# Altium PCB PCB5.PcbDoc (part 7 of 16) (continued)
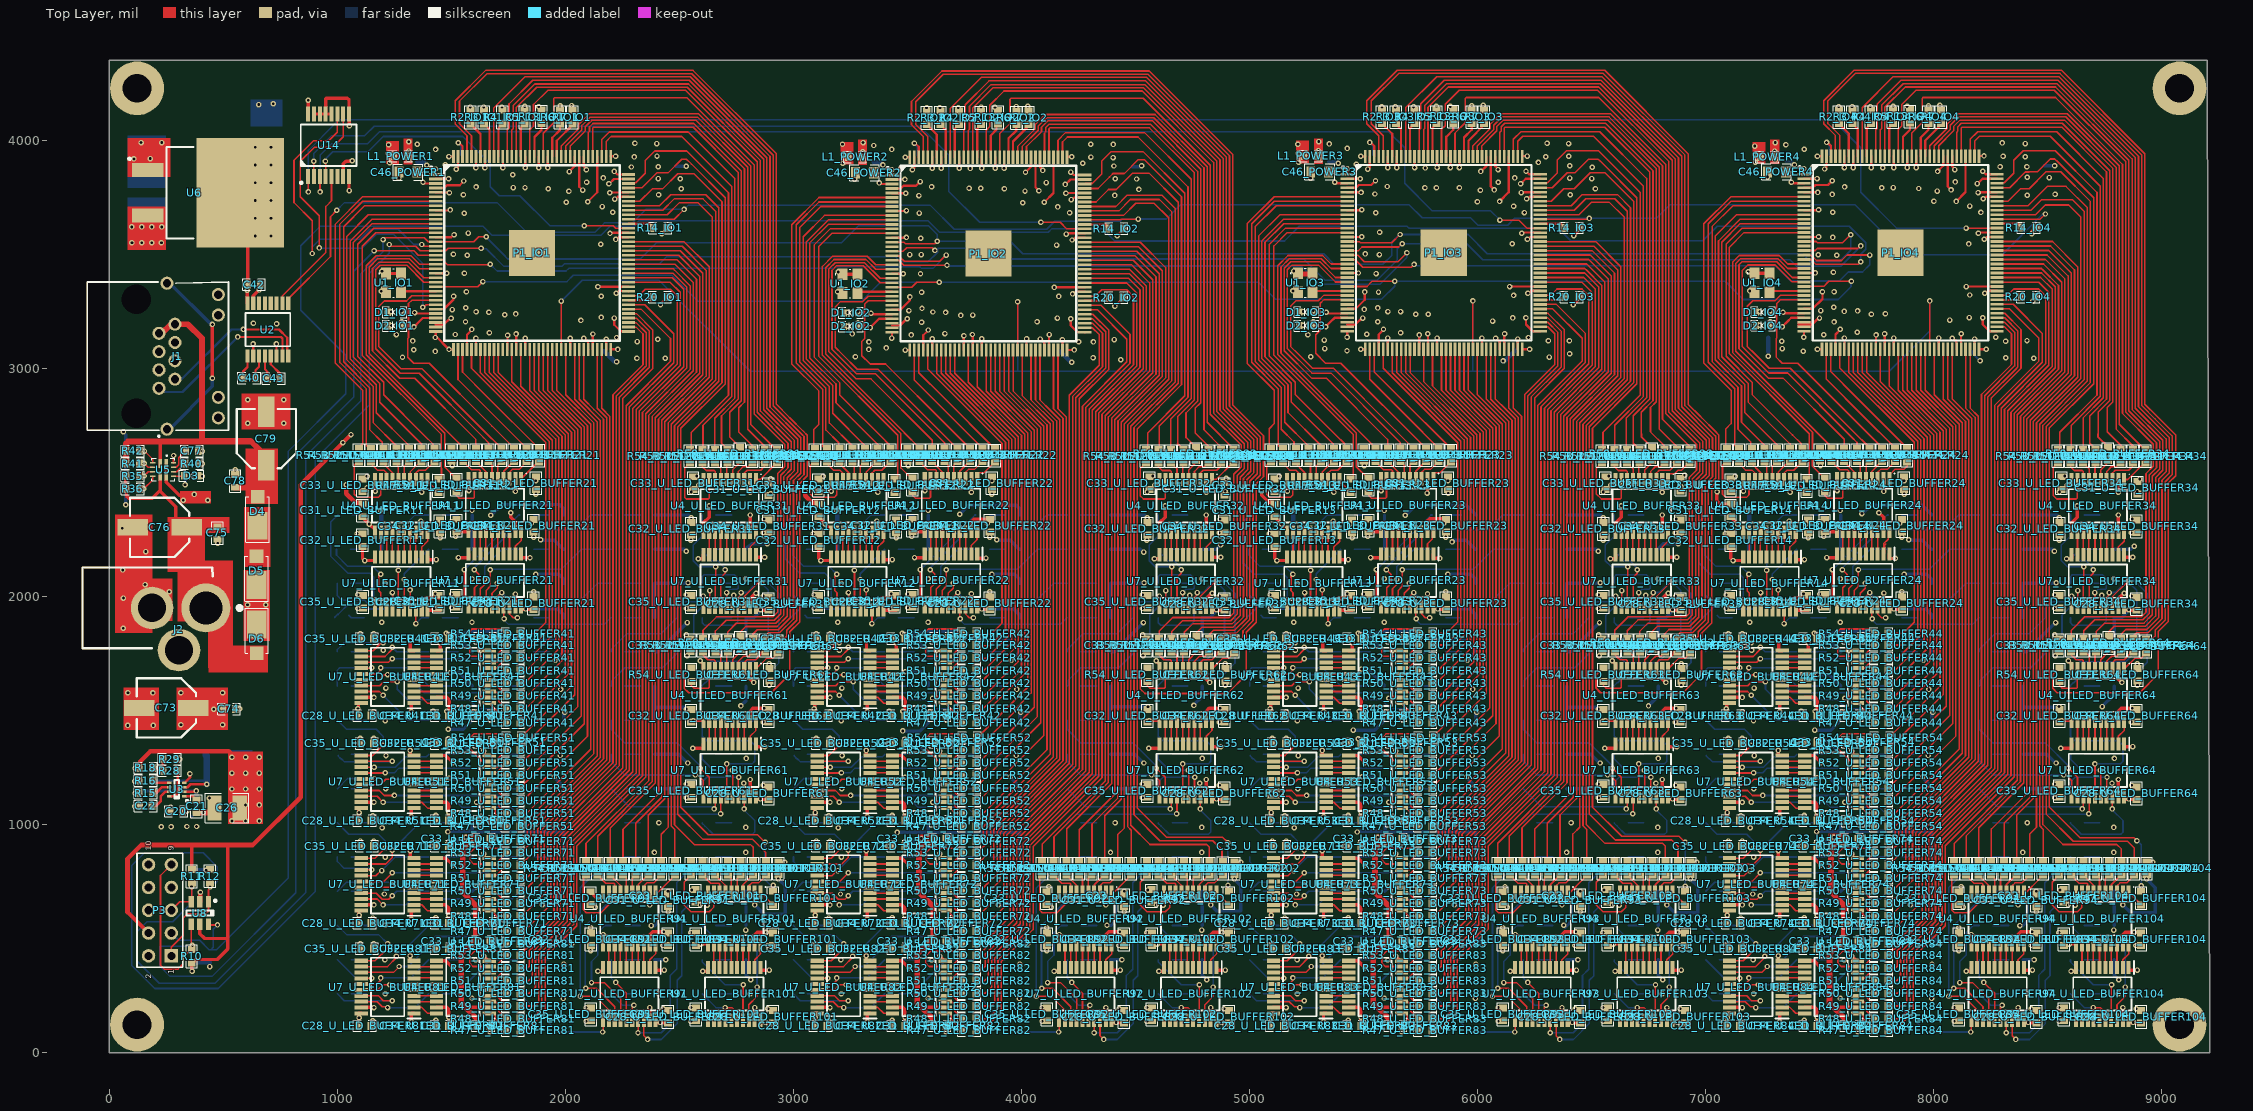
[diagram p0: Top Layer view]
## Nets (pads, with @x,y where several pads share a name; then routed paths per layer and width w, separated by ;. In a path a pad name is that pad's centre, name@x,y a point inside that pad or via, vN(x,y) a via of type N, cw(c..) or ccw(c..) an arc to the next point about the centre after c; other vN are vias at no path point) (continued)
GPIO_30_IO1: P1_IO1.43 R53_U_LED_BUFFER41.2 | length 1510.6
  Top Layer w7: P1_IO1.43@1627.72,3083.35 1627.72,3001.67 1627.72,2980.69 1929.2,2679.22 1929.2,1854.61 1860.64,1786.05 R53_U_LED_BUFFER41.2@1800.63,1786.05
GPIO_30_IO2: P1_IO2.43 R53_U_LED_BUFFER42.2 | length 1510.6
  Top Layer w7: P1_IO2.43@3628.82,3080.75 3628.82,2999.07 3628.82,2978.09 3930.3,2676.62 3930.3,1852.01 3861.74,1783.45 R53_U_LED_BUFFER42.2@3801.73,1783.45
GPIO_30_IO3: P1_IO3.43 R53_U_LED_BUFFER43.2 | length 1510.6
  Top Layer w7: P1_IO3.43@5625.72,3084.2 5625.72,3002.52 5625.72,2981.54 5927.2,2680.07 5927.2,1855.46 5858.64,1786.9 R53_U_LED_BUFFER43.2@5798.63,1786.9
GPIO_30_IO4: P1_IO4.43 R53_U_LED_BUFFER44.2 | length 1510.6
  Top Layer w7: P1_IO4.43@7628.72,3084.35 7628.72,3002.67 7628.72,2981.69 7930.2,2680.22 7930.2,1855.61 7861.64,1787.05 R53_U_LED_BUFFER44.2@7801.63,1787.05
GPIO_31_IO1: P1_IO1.41 R54_U_LED_BUFFER41.2 | length 1466.1
  Top Layer w7: P1_IO1.41@1588.35,3083.35 1588.35,3072.47 1588.35,3021.24 1588.35,3000.27 1913.88,2674.74 1913.88,2257.8 1913.88,2239.16 1913.88,1885.34 1865.7,1837.16 R54_U_LED_BUFFER41.2@1800.63,1837.16
GPIO_31_IO2: P1_IO2.41 R54_U_LED_BUFFER42.2 | length 1466.1
  Top Layer w7: P1_IO2.41@3589.45,3080.75 3589.45,3069.87 3589.45,3018.64 3589.45,2997.67 3914.98,2672.14 3914.98,2255.2 3914.98,2236.56 3914.98,1882.74 3866.8,1834.56 R54_U_LED_BUFFER42.2@3801.73,1834.56
GPIO_31_IO3: P1_IO3.41 R54_U_LED_BUFFER43.2 | length 1467.1
  Top Layer w7: P1_IO3.41@5586.35,3084.2 5586.35,3073.32 5586.35,3022.09 5586.35,3001.12 5913.2,2674.27 5913.2,1887.51 5863.7,1838.01 R54_U_LED_BUFFER43.2@5798.63,1838.01
GPIO_31_IO4: P1_IO4.41 R54_U_LED_BUFFER44.2 | length 1466.1
  Top Layer w7: P1_IO4.41@7589.35,3084.35 7589.35,3073.47 7589.35,3022.24 7589.35,3001.27 7914.88,2675.74 7914.88,2258.8 7914.88,2240.16 7914.88,1886.34 7866.7,1838.16 R54_U_LED_BUFFER44.2@7801.63,1838.16
GPIO_32_IO1: P1_IO1.62 R47_U_LED_BUFFER51.2 | length 2280.5
  Top Layer w7: R47_U_LED_BUFFER51.2@1799.83,992.06 1805.52,992.06 2125.2,1311.73 2125.2,1451.53 2125.2,1452.7 2125.2,2147.27 2125.2,2760.4 2001.74,2883.86 P1_IO1.62@2001.74,3083.35
GPIO_32_IO2: P1_IO2.62 R47_U_LED_BUFFER52.2 | length 2280.5
  Top Layer w7: R47_U_LED_BUFFER52.2@3800.93,989.46 3806.62,989.46 4126.3,1309.13 4126.3,1448.93 4126.3,1450.1 4126.3,2144.67 4126.3,2757.8 4002.84,2881.26 P1_IO2.62@4002.84,3080.75
GPIO_32_IO3: P1_IO3.62 R47_U_LED_BUFFER53.2 | length 2280.5
  Top Layer w7: R47_U_LED_BUFFER53.2@5797.83,992.91 5803.52,992.91 6123.2,1312.58 6123.2,1452.38 6123.2,1453.55 6123.2,2148.12 6123.2,2761.25 5999.74,2884.71 P1_IO3.62@5999.74,3084.2
GPIO_32_IO4: P1_IO4.62 R47_U_LED_BUFFER54.2 | length 2280.5
  Top Layer w7: R47_U_LED_BUFFER54.2@7800.83,993.06 7806.52,993.06 8126.2,1312.73 8126.2,1452.53 8126.2,1453.7 8126.2,2148.27 8126.2,2761.4 8002.74,2884.86 P1_IO4.62@8002.74,3084.35
GPIO_33_IO1: P1_IO1.60 R48_U_LED_BUFFER51.2 | length 2242.3
  Top Layer w7: R48_U_LED_BUFFER51.2@1800.63,1048.28 1829.48,1048.28 2111.2,1329.99 2111.2,1457.33 2111.2,1458.5 2111.2,2141.47 2111.2,2740.57 2111.2,2754.6 1962.37,2903.43 P1_IO1.60@1962.37,3083.35
GPIO_33_IO2: P1_IO2.60 R48_U_LED_BUFFER52.2 | length 2242.3
  Top Layer w7: R48_U_LED_BUFFER52.2@3801.73,1045.68 3830.58,1045.68 4112.3,1327.39 4112.3,1454.73 4112.3,1455.9 4112.3,2138.87 4112.3,2737.97 4112.3,2752 3963.47,2900.83 P1_IO2.60@3963.47,3080.75
GPIO_33_IO3: P1_IO3.60 R48_U_LED_BUFFER53.2 | length 2242.3
  Top Layer w7: R48_U_LED_BUFFER53.2@5798.63,1049.13 5827.48,1049.13 6109.2,1330.84 6109.2,1458.18 6109.2,1459.35 6109.2,2142.32 6109.2,2741.42 6109.2,2755.45 5960.37,2904.28 P1_IO3.60@5960.37,3084.2
GPIO_33_IO4: P1_IO4.60 R48_U_LED_BUFFER54.2 | length 2242.3
  Top Layer w7: R48_U_LED_BUFFER54.2@7801.63,1049.28 7830.48,1049.28 8112.2,1330.99 8112.2,1458.33 8112.2,1459.5 8112.2,2142.47 8112.2,2741.57 8112.2,2755.6 7963.37,2904.43 P1_IO4.60@7963.37,3084.35
GPIO_34_IO1: P1_IO1.59 R49_U_LED_BUFFER51.2 | length 2174
  Top Layer w7: R49_U_LED_BUFFER51.2@1800.63,1103.83 1813.72,1103.83 2097.2,1387.31 2097.2,1463.13 2097.2,1464.3 2097.2,2135.68 2097.2,2734.77 2097.2,2748.8 1942.68,2903.32 P1_IO1.59@1942.68,3083.35
GPIO_34_IO2: P1_IO2.59 R49_U_LED_BUFFER52.2 | length 2170.7
  Top Layer w7: R49_U_LED_BUFFER52.2@3801.73,1101.23 3809.15,1101.23 4098.3,1390.37 4098.3,1460.53 4098.3,1461.7 4098.3,2133.08 4098.3,2732.17 4098.3,2746.2 3943.78,2900.72 P1_IO2.59@3943.78,3080.75
GPIO_34_IO3: P1_IO3.59 R49_U_LED_BUFFER53.2 | length 2174
  Top Layer w7: R49_U_LED_BUFFER53.2@5798.63,1104.68 5811.72,1104.68 6095.2,1388.16 6095.2,1463.98 6095.2,1465.15 6095.2,2136.52 6095.2,2735.62 6095.2,2749.65 5940.68,2904.17 P1_IO3.59@5940.68,3084.2
GPIO_34_IO4: P1_IO4.59 R49_U_LED_BUFFER54.2 | length 2174
  Top Layer w7: R49_U_LED_BUFFER54.2@7801.63,1104.83 7814.72,1104.83 8098.2,1388.31 8098.2,1464.13 8098.2,1465.3 8098.2,2136.68 8098.2,2735.77 8098.2,2749.8 7943.68,2904.32 P1_IO4.59@7943.68,3084.35
GPIO_35_IO1: P1_IO1.58 R50_U_LED_BUFFER51.2 | length 2107.4
  Top Layer w7: R50_U_LED_BUFFER51.2@1800.63,1159.39 2028.63,1387.39 2083.2,1441.95 2083.2,1468.93 2083.2,1470.1 2083.2,2122.19 2083.2,2728.97 2083.2,2743.01 1923,2903.21 1923,3074.8 P1_IO1.58@1923,3083.35
GPIO_35_IO2: P1_IO2.58 R50_U_LED_BUFFER52.2 | length 2105.2
  Top Layer w7: R50_U_LED_BUFFER52.2@3800.63,1159.39 3800.63,1162.82 4084.3,1446.48 4084.3,1466.33 4084.3,1467.5 4084.3,2119.59 4084.3,2726.37 4084.3,2740.41 3924.1,2900.61 3924.1,3072.2 P1_IO2.58@3924.1,3080.75
GPIO_35_IO3: P1_IO3.58 R50_U_LED_BUFFER53.2 | length 2107.4
  Top Layer w7: R50_U_LED_BUFFER53.2@5798.63,1160.24 6026.63,1388.24 6081.2,1442.8 6081.2,1469.78 6081.2,1470.95 6081.2,2123.04 6081.2,2729.82 6081.2,2743.85 5921,2904.06 5921,3075.65 P1_IO3.58@5921,3084.2
GPIO_35_IO4: P1_IO4.58 R50_U_LED_BUFFER54.2 | length 2107.4
  Top Layer w7: R50_U_LED_BUFFER54.2@7801.63,1160.39 8029.63,1388.39 8084.2,1442.95 8084.2,1469.93 8084.2,1471.1 8084.2,2123.19 8084.2,2729.97 8084.2,2744.01 7924,2904.21 7924,3075.8 P1_IO4.58@7924,3084.35
GPIO_36_IO1: P1_IO1.57 R51_U_LED_BUFFER51.2 | length 2052.8
  Top Layer w7: R51_U_LED_BUFFER51.2@1800.63,1214.94 1808.24,1214.94 2069.2,1475.9 2069.2,2116.39 2069.2,2127.99 2069.2,2723.17 2069.2,2737.21 1903.31,2903.09 1903.31,3074.49 P1_IO1.57@1903.31,3083.35
GPIO_36_IO2: P1_IO2.57 R51_U_LED_BUFFER52.2 | length 2052.8
  Top Layer w7: R51_U_LED_BUFFER52.2@3801.73,1212.34 3809.34,1212.34 4070.3,1473.3 4070.3,2113.79 4070.3,2125.39 4070.3,2720.57 4070.3,2734.61 3904.41,2900.49 3904.41,3071.89 P1_IO2.57@3904.41,3080.75
GPIO_36_IO3: P1_IO3.57 R51_U_LED_BUFFER53.2 | length 2052.8
  Top Layer w7: R51_U_LED_BUFFER53.2@5798.63,1215.79 5806.24,1215.79 6067.2,1476.75 6067.2,2117.24 6067.2,2128.84 6067.2,2724.02 6067.2,2738.06 5901.31,2903.94 5901.31,3075.34 P1_IO3.57@5901.31,3084.2
GPIO_36_IO4: P1_IO4.57 R51_U_LED_BUFFER54.2 | length 2052.8
  Top Layer w7: R51_U_LED_BUFFER54.2@7801.63,1215.94 7809.24,1215.94 8070.2,1476.9 8070.2,2117.39 8070.2,2128.99 8070.2,2724.17 8070.2,2738.21 7904.31,2904.09 7904.31,3075.49 P1_IO4.57@7904.31,3084.35
GPIO_37_IO1: P1_IO1.56 R52_U_LED_BUFFER51.2 | length 1994
  Top Layer w7: R52_U_LED_BUFFER51.2@1800.63,1270.5 1808.57,1270.5 2055.2,1517.12 2055.2,2110.59 2055.2,2133.78 2055.2,2717.37 2055.2,2731.41 1883.63,2902.98 P1_IO1.56@1883.63,3083.35
GPIO_37_IO2: P1_IO2.56 R52_U_LED_BUFFER52.2 | length 1994
  Top Layer w7: R52_U_LED_BUFFER52.2@3801.73,1267.9 3809.67,1267.9 4056.3,1514.52 4056.3,2107.99 4056.3,2131.18 4056.3,2714.77 4056.3,2728.81 3884.73,2900.38 P1_IO2.56@3884.73,3080.75
GPIO_37_IO3: P1_IO3.56 R52_U_LED_BUFFER53.2 | length 1998.6
  Top Layer w7: R52_U_LED_BUFFER53.2@5798.63,1271.35 5814.44,1271.35 6053.2,1510.1 6053.2,2111.44 6053.2,2134.63 6053.2,2718.22 6053.2,2732.26 5881.63,2903.83 P1_IO3.56@5881.63,3084.2
GPIO_37_IO4: P1_IO4.56 R52_U_LED_BUFFER54.2 | length 1994
  Top Layer w7: R52_U_LED_BUFFER54.2@7801.63,1271.5 7809.57,1271.5 8056.2,1518.12 8056.2,2111.59 8056.2,2134.78 8056.2,2718.37 8056.2,2732.41 7884.63,2903.98 P1_IO4.56@7884.63,3084.35
GPIO_38_IO1: P1_IO1.55 R53_U_LED_BUFFER51.2 | length 1930.4
  Top Layer w7: R53_U_LED_BUFFER51.2@1800.63,1326.05 1800.63,1328.75 2041.2,1569.31 2041.2,2104.79 2041.2,2711.58 2041.2,2725.61 1863.94,2902.87 1863.94,3083.27 P1_IO1.55@1863.94,3083.35
GPIO_38_IO2: P1_IO2.55 R53_U_LED_BUFFER52.2 | length 1929.7
  Top Layer w7: R53_U_LED_BUFFER52.2@3800.63,1326.05 3800.63,1328.55 3812.13,1340.05 3814.63,1340.05 3974.64,1500.06 3974.64,1508.56 4042.3,1576.22 4042.3,2102.19 4042.3,2708.98 4042.3,2723.01 3865.04,2900.27 3865.04,3080.67 P1_IO2.55@3865.04,3080.75
GPIO_38_IO3: P1_IO3.55 R53_U_LED_BUFFER53.2 | length 1934
  Top Layer w7: R53_U_LED_BUFFER53.2@5800.63,1326.05 5800.63,1336.8 5816.58,1352.75 5822.72,1352.75 5828.87,1358.9 5828.87,1365.04 6039.2,1575.37 6039.2,2105.64 6039.2,2712.43 6039.2,2726.46 5861.94,2903.72 P1_IO3.55@5861.94,3084.2 P1_IO3.55@5861.94,3084.2
GPIO_38_IO4: P1_IO4.55 R53_U_LED_BUFFER54.2 | length 1930.4
  Top Layer w7: R53_U_LED_BUFFER54.2@7801.63,1327.05 7801.63,1329.75 8042.2,1570.31 8042.2,2105.79 8042.2,2712.58 8042.2,2726.61 7864.94,2903.87 7864.94,3084.27 P1_IO4.55@7864.94,3084.35
GPIO_39_IO1: P1_IO1.54 R54_U_LED_BUFFER51.2 | length 1874.3
  Top Layer w7: R54_U_LED_BUFFER51.2@1803.37,1380.75 2027.2,1604.58 2027.2,1653.93 ; P1_IO1.54@1844.26,3083.35 1844.26,2902.75 2027.2,2719.81 2027.2,2705.78 2027.2,2098.99 2027.2,1653.93 ; 2027.2,1657.16 2027.2,1653.93
GPIO_39_IO2: P1_IO2.54 R54_U_LED_BUFFER52.2 | length 1874.3
  Top Layer w7: R54_U_LED_BUFFER52.2@3804.47,1378.15 4028.3,1601.98 4028.3,1651.33 ; P1_IO2.54@3845.36,3080.75 3845.36,2900.15 4028.3,2717.21 4028.3,2703.18 4028.3,2096.39 4028.3,1651.33 ; 4028.3,1654.56 4028.3,1651.33
GPIO_39_IO3: P1_IO3.54 R54_U_LED_BUFFER53.2 | length 1874.3
  Top Layer w7: R54_U_LED_BUFFER53.2@5801.37,1381.6 6025.2,1605.43 6025.2,1654.78 ; P1_IO3.54@5842.26,3084.2 5842.26,2903.6 6025.2,2720.66 6025.2,2706.63 6025.2,2099.84 6025.2,1654.78 ; 6025.2,1658.01 6025.2,1654.78
GPIO_39_IO4: P1_IO4.54 R54_U_LED_BUFFER54.2 | length 1874.3
  Top Layer w7: R54_U_LED_BUFFER54.2@7804.37,1381.75 8028.2,1605.58 8028.2,1654.93 ; P1_IO4.54@7845.26,3084.35 7845.26,2903.75 8028.2,2720.81 8028.2,2706.78 8028.2,2099.99 8028.2,1654.93 ; 8028.2,1658.16 8028.2,1654.93
GPIO_40_IO1: P1_IO1.140 R47_U_LED_BUFFER61.2 | length 4081.4
  Top Layer w7: P1_IO1.140@1588.35,3928.87 1588.35,4020 1535.85,4072.5 1535.85,4172.38 1656.16,4292.69 2553.9,4292.69 2911.58,3935.01 2911.58,2836.42 2970.43,2777.56 3038.43,2709.57 3046.63,2701.37 3046.63,2534.52 3014.63,2502.52 3014.63,1895.39 2970.43,1851.19 2970.43,1825.17 2956.32,1811.05 R47_U_LED_BUFFER61.2@2931.24,1811.05
GPIO_40_IO2: P1_IO2.140 R47_U_LED_BUFFER62.2 | length 4081.4
  Top Layer w7: P1_IO2.140@3589.45,3926.27 3589.45,4017.4 3536.95,4069.9 3536.95,4169.78 3657.26,4290.09 4555,4290.09 4912.68,3932.41 4912.68,2833.82 4971.53,2774.96 5039.53,2706.97 5047.73,2698.77 5047.73,2531.92 5015.73,2499.92 5015.73,1892.79 4971.53,1848.59 4971.53,1822.57 4957.42,1808.45 R47_U_LED_BUFFER62.2@4932.34,1808.45
GPIO_40_IO3: P1_IO3.140 R47_U_LED_BUFFER63.2 | length 4081.4
  Top Layer w7: P1_IO3.140@5586.35,3929.72 5586.35,4020.85 5533.85,4073.35 5533.85,4173.23 5654.16,4293.54 6551.9,4293.54 6909.58,3935.86 6909.58,2837.27 6968.43,2778.41 7036.43,2710.42 7044.63,2702.22 7044.63,2518.65 7012.63,2486.65 7012.63,2481.08 7012.63,1888.8 6968.43,1844.6 6968.43,1836.78 6968.43,1826.02 6954.32,1811.9 R47_U_LED_BUFFER63.2@6929.24,1811.9
GPIO_40_IO4: P1_IO4.140 R47_U_LED_BUFFER64.2 | length 4081.4
  Top Layer w7: P1_IO4.140@7589.35,3929.87 7589.35,4021 7536.85,4073.5 7536.85,4173.38 7657.16,4293.69 8554.9,4293.69 8912.58,3936.01 8912.58,2837.42 8971.43,2778.56 9039.43,2710.57 9047.63,2702.37 9047.63,2535.52 9015.63,2503.52 9015.63,1896.39 8971.43,1852.19 8971.43,1826.17 8957.32,1812.05 R47_U_LED_BUFFER64.2@8932.24,1812.05
GPIO_41_IO1: P1_IO1.135 R48_U_LED_BUFFER61.2 | length 3888.1
  Top Layer w7: P1_IO1.135@1686.77,3928.87 1686.77,4142.63 1822.84,4278.69 2548.1,4278.69 2897.58,3929.21 2897.58,2830.62 3032.63,2695.57 3032.63,2540.32 3000.63,2508.32 3000.63,1901.19 2939.63,1840.18 2890.63,1840.18 2876.64,1826.19 R48_U_LED_BUFFER61.2@2876.64,1816.05
GPIO_41_IO2: P1_IO2.135 R48_U_LED_BUFFER62.2 | length 3888.1
  Top Layer w7: P1_IO2.135@3687.87,3926.27 3687.87,4140.03 3823.94,4276.09 4549.2,4276.09 4898.68,3926.61 4898.68,2828.02 5033.73,2692.97 5033.73,2537.72 5001.73,2505.72 5001.73,1898.59 4940.73,1837.58 4891.73,1837.58 4877.74,1823.59 R48_U_LED_BUFFER62.2@4877.74,1813.45
GPIO_41_IO3: P1_IO3.135 R48_U_LED_BUFFER63.2 | length 3891.3
  Top Layer w7: P1_IO3.135@5684.77,3929.72 5684.77,4143.48 5820.84,4279.54 6546.1,4279.54 6895.58,3930.06 6895.58,2831.47 7030.63,2696.42 7030.63,2524.45 6998.63,2492.45 6998.63,2476.41 6998.63,1897.31 6998.63,1896.59 6943.07,1841.03 6942.35,1841.03 6888.63,1841.03 6874.64,1827.04 R48_U_LED_BUFFER63.2@6874.64,1816.9
GPIO_41_IO4: P1_IO4.135 R48_U_LED_BUFFER64.2 | length 3888.1
  Top Layer w7: P1_IO4.135@7687.77,3929.87 7687.77,4143.63 7823.84,4279.69 8549.1,4279.69 8898.58,3930.21 8898.58,2831.62 9033.63,2696.57 9033.63,2541.32 9001.63,2509.32 9001.63,1902.19 8940.63,1841.18 8891.63,1841.18 8877.64,1827.19 R48_U_LED_BUFFER64.2@8877.64,1817.05
GPIO_42_IO1: P1_IO1.132 R49_U_LED_BUFFER61.2 | length 3846.7
  Top Layer w7: P1_IO1.132@1745.83,3928.87 1745.83,4045.52 1752.83,4052.52 1752.83,4159.37 1856.78,4263.31 2543.68,4263.31 2883.58,3923.41 2883.58,2824.82 3018.63,2689.77 3018.63,2568.82 3018.63,2546.12 2986.63,2514.12 2986.63,1906.99 2933.83,1854.18 2841.63,1854.18 2822.05,1834.6 R49_U_LED_BUFFER61.2@2822.05,1816.05
GPIO_42_IO2: P1_IO2.132 R49_U_LED_BUFFER62.2 | length 3846.7
  Top Layer w7: P1_IO2.132@3746.93,3926.27 3746.93,4042.92 3753.93,4049.92 3753.93,4156.77 3857.88,4260.71 4544.78,4260.71 4884.68,3920.81 4884.68,2822.22 5019.73,2687.17 5019.73,2566.22 5019.73,2543.52 4987.73,2511.52 4987.73,1904.39 4934.93,1851.58 4842.73,1851.58 4823.15,1832 R49_U_LED_BUFFER62.2@4823.15,1813.45
GPIO_42_IO3: P1_IO3.132 R49_U_LED_BUFFER63.2 | length 3849.9
  Top Layer w7: P1_IO3.132@5743.83,3929.72 5743.83,4046.37 5750.83,4053.37 5750.83,4160.22 5854.78,4264.16 6541.68,4264.16 6881.58,3924.26 6881.58,2825.67 7016.63,2690.62 7016.63,2569.67 7016.63,2530.25 6984.63,2498.25 6984.63,2465.84 6984.63,1904.31 6984.63,1902.39 6937.27,1855.03 6935.35,1855.03 6839.63,1855.03 6820.05,1835.45 R49_U_LED_BUFFER63.2@6820.05,1816.9
GPIO_42_IO4: P1_IO4.132 R49_U_LED_BUFFER64.2 | length 3846.7
  Top Layer w7: P1_IO4.132@7746.83,3929.87 7746.83,4046.52 7753.83,4053.52 7753.83,4160.37 7857.78,4264.31 8544.68,4264.31 8884.58,3924.41 8884.58,2825.82 9019.63,2690.77 9019.63,2569.82 9019.63,2547.12 8987.63,2515.12 8987.63,1907.99 8934.83,1855.18 8842.63,1855.18 8823.05,1835.6 R49_U_LED_BUFFER64.2@8823.05,1817.05
GPIO_43_IO1: P1_IO1.131 R50_U_LED_BUFFER61.2 | length 3831.3
  Top Layer w7: P1_IO1.131@1765.51,3928.87 1765.51,4045.4 1771.2,4051.09 1771.2,4152.49 1865.87,4247.16 2540.03,4247.16 2869.58,3917.61 2869.58,2819.02 3004.63,2683.97 3004.63,2566.38 3004.63,2551.92 2972.63,2519.92 2972.63,1928.24 2972.63,1912.78 2928.03,1868.18 2912.58,1868.18 2791.65,1868.18 2767.17,1843.71 R50_U_LED_BUFFER61.2@2767.17,1820.57
GPIO_43_IO2: P1_IO2.131 R50_U_LED_BUFFER62.2 | length 3831.3
  Top Layer w7: P1_IO2.131@3766.61,3926.27 3766.61,4042.8 3772.3,4048.49 3772.3,4149.89 3866.97,4244.56 4541.13,4244.56 4870.68,3915.01 4870.68,2816.42 5005.73,2681.37 5005.73,2563.78 5005.73,2549.32 4973.73,2517.32 4973.73,1925.64 4973.73,1910.18 4929.13,1865.58 4913.68,1865.58 4792.75,1865.58 4768.27,1841.11 R50_U_LED_BUFFER62.2@4768.27,1817.97
GPIO_43_IO3: P1_IO3.131 R50_U_LED_BUFFER63.2 | length 3834.5
  Top Layer w7: P1_IO3.131@5763.51,3929.72 5763.51,4046.25 5769.2,4051.94 5769.2,4153.34 5863.87,4248.01 6538.03,4248.01 6867.58,3918.46 6867.58,2819.87 7002.63,2684.82 7002.63,2567.23 7002.63,2536.05 6970.63,2504.05 6970.63,2480.31 6970.63,1929.09 6970.63,1908.19 6931.47,1869.03 6910.58,1869.03 6789.65,1869.03 6765.17,1844.56 R50_U_LED_BUFFER63.2@6765.17,1821.42
GPIO_43_IO4: P1_IO4.131 R50_U_LED_BUFFER64.2 | length 3831.3
  Top Layer w7: P1_IO4.131@7766.51,3929.87 7766.51,4046.4 7772.2,4052.09 7772.2,4153.49 7866.87,4248.16 8541.03,4248.16 8870.58,3918.61 8870.58,2820.02 9005.63,2684.97 9005.63,2567.38 9005.63,2552.92 8973.63,2520.92 8973.63,1929.24 8973.63,1913.78 8929.03,1869.18 8913.58,1869.18 8792.65,1869.18 8768.17,1844.71 R50_U_LED_BUFFER64.2@8768.17,1821.57
GPIO_44_IO1: P1_IO1.130 R51_U_LED_BUFFER61.2 | length 3823.5
  Top Layer w7: P1_IO1.130@1785.2,3928.87 1785.2,4144.06 1874.31,4233.16 2534.23,4233.16 2855.58,3911.81 2855.58,2813.22 2990.63,2678.17 2990.63,2580.31 2990.63,2557.72 2958.63,2525.72 2958.63,1929.69 2958.63,1918.58 2922.23,1882.18 2911.12,1882.18 2749.63,1882.18 2712.85,1845.4 R51_U_LED_BUFFER61.2@2712.85,1816.05
GPIO_44_IO2: P1_IO2.130 R51_U_LED_BUFFER62.2 | length 3823.5
  Top Layer w7: P1_IO2.130@3786.3,3926.27 3786.3,4141.46 3875.41,4230.56 4535.33,4230.56 4856.68,3909.21 4856.68,2810.62 4991.73,2675.57 4991.73,2577.71 4991.73,2555.12 4959.73,2523.12 4959.73,1927.09 4959.73,1915.98 4923.33,1879.58 4912.22,1879.58 4750.73,1879.58 4713.95,1842.8 R51_U_LED_BUFFER62.2@4713.95,1813.45
GPIO_44_IO3: P1_IO3.130 R51_U_LED_BUFFER63.2 | length 3826.6
  Top Layer w7: P1_IO3.130@5783.2,3929.72 5783.2,4144.9 5872.31,4234.01 6532.23,4234.01 6853.58,3912.66 6853.58,2814.07 6988.63,2679.02 6988.63,2581.16 6988.63,2541.84 6956.63,2509.84 6956.63,2498.7 6956.63,1913.99 6925.67,1883.03 6747.63,1883.03 6710.85,1846.25 R51_U_LED_BUFFER63.2@6710.85,1816.9
GPIO_44_IO4: P1_IO4.130 R51_U_LED_BUFFER64.2 | length 3823.5
  Top Layer w7: P1_IO4.130@7786.2,3929.87 7786.2,4145.06 7875.31,4234.16 8535.23,4234.16 8856.58,3912.81 8856.58,2814.22 8991.63,2679.17 8991.63,2581.31 8991.63,2558.72 8959.63,2526.72 8959.63,1930.69 8959.63,1919.58 8923.23,1883.18 8912.12,1883.18 8750.63,1883.18 8713.85,1846.4 R51_U_LED_BUFFER64.2@8713.85,1817.05
GPIO_45_IO1: P1_IO1.127 R52_U_LED_BUFFER61.2 | length 3772.9
  Top Layer w7: P1_IO1.127@1844.26,3928.87 1844.26,4046.94 1860.33,4063.02 1860.33,4157.19 1922.31,4219.16 2528.43,4219.16 2841.58,3906.01 2841.58,2807.42 2976.63,2672.37 2976.63,2563.52 2944.63,2531.52 2944.63,1924.38 2916.43,1896.18 2705.63,1896.18 2658.26,1848.81 R52_U_LED_BUFFER61.2@2658.26,1816.05
GPIO_45_IO2: P1_IO2.127 R52_U_LED_BUFFER62.2 | length 3772.9
  Top Layer w7: P1_IO2.127@3845.36,3926.27 3845.36,4044.34 3861.43,4060.42 3861.43,4154.59 3923.41,4216.56 4529.53,4216.56 4842.68,3903.41 4842.68,2804.82 4977.73,2669.77 4977.73,2560.92 4945.73,2528.92 4945.73,1921.78 4917.53,1893.58 4706.73,1893.58 4659.36,1846.21 R52_U_LED_BUFFER62.2@4659.36,1813.45
GPIO_45_IO3: P1_IO3.127 R52_U_LED_BUFFER63.2 | length 3776.1
  Top Layer w7: P1_IO3.127@5842.26,3929.72 5842.26,4047.79 5858.33,4063.87 5858.33,4158.03 5920.31,4220.01 6526.43,4220.01 6839.58,3906.86 6839.58,2808.27 6974.63,2673.22 6974.63,2547.64 6942.63,2515.64 6942.63,2496.48 6942.63,1919.79 6919.87,1897.03 6703.63,1897.03 6656.26,1849.66 R52_U_LED_BUFFER63.2@6656.26,1816.9
GPIO_45_IO4: P1_IO4.127 R52_U_LED_BUFFER64.2 | length 3772.9
  Top Layer w7: P1_IO4.127@7845.26,3929.87 7845.26,4047.94 7861.33,4064.02 7861.33,4158.19 7923.31,4220.16 8529.43,4220.16 8842.58,3907.01 8842.58,2808.42 8977.63,2673.37 8977.63,2564.52 8945.63,2532.52 8945.63,1925.38 8917.43,1897.18 8706.63,1897.18 8659.26,1849.81 R52_U_LED_BUFFER64.2@8659.26,1817.05
GPIO_46_IO1: P1_IO1.124 R53_U_LED_BUFFER61.2 | length 3702.4
  Top Layer w7: P1_IO1.124@1903.31,3928.87 1903.31,4031.2 1948.83,4076.72 1948.83,4183.06 1952.93,4187.17 2533.71,4187.17 2827.58,3893.29 2827.58,2801.62 2962.63,2666.57 2962.63,2569.86 2930.63,2537.86 2930.63,1930.18 2910.63,1910.18 2662.63,1910.18 2603.66,1851.21 R53_U_LED_BUFFER61.2@2603.66,1816.05
GPIO_46_IO2: P1_IO2.124 R53_U_LED_BUFFER62.2 | length 3702.4
  Top Layer w7: P1_IO2.124@3904.41,3926.27 3904.41,4028.6 3949.93,4074.12 3949.93,4180.46 3954.03,4184.57 4534.81,4184.57 4828.68,3890.69 4828.68,2799.02 4963.73,2663.97 4963.73,2567.26 4931.73,2535.26 4931.73,1927.58 4911.73,1907.58 4663.73,1907.58 4604.76,1848.61 R53_U_LED_BUFFER62.2@4604.76,1813.45
GPIO_46_IO3: P1_IO3.124 R53_U_LED_BUFFER63.2 | length 3705.6
  Top Layer w7: P1_IO3.124@5901.31,3929.72 5901.31,4032.05 5946.83,4077.57 5946.83,4183.91 5950.93,4188.01 6531.71,4188.01 6825.58,3894.14 6825.58,2802.47 6960.63,2667.42 6960.63,2553.44 6928.63,2521.44 6928.63,2494.26 6928.63,1925.59 6914.07,1911.03 6660.63,1911.03 6601.66,1852.06 R53_U_LED_BUFFER63.2@6601.66,1816.9
GPIO_46_IO4: P1_IO4.124 R53_U_LED_BUFFER64.2 | length 3702.4
  Top Layer w7: P1_IO4.124@7904.31,3929.87 7904.31,4032.2 7949.83,4077.72 7949.83,4184.06 7953.93,4188.17 8534.71,4188.17 8828.58,3894.29 8828.58,2802.62 8963.63,2667.57 8963.63,2570.86 8931.63,2538.86 8931.63,1931.18 8911.63,1911.18 8663.63,1911.18 8604.66,1852.21 R53_U_LED_BUFFER64.2@8604.66,1817.05
GPIO_47_IO1: P1_IO1.141 R54_U_LED_BUFFER61.2 | length 4859.9
  Top Layer w7: P1_IO1.141@1568.66,3928.87 1568.66,4019.88 1516.96,4071.59 1516.96,4173.29 1650.36,4306.69 2559.7,4306.69 2925.58,3940.81 2925.58,2842.22 2978.98,2788.82 2984.43,2783.36 3044.23,2723.57 3060.63,2707.16 3060.63,2528.72 3028.63,2496.72 3028.63,1889.59 2984.43,1845.39 2984.43,1819.37 2984.42,1658.61 2902.98,1577.16 2540.63,1577.16 2520.63,1597.16 2520.63,1655.53 R54_U_LED_BUFFER61.2@2552.27,1687.16
GPIO_47_IO2: P1_IO2.141 R54_U_LED_BUFFER62.2 | length 4859.9
  Top Layer w7: P1_IO2.141@3569.76,3926.27 3569.76,4017.28 3518.06,4068.99 3518.06,4170.69 3651.46,4304.09 4560.8,4304.09 4926.68,3938.21 4926.68,2839.62 4980.08,2786.22 4985.53,2780.76 5045.33,2720.97 5061.73,2704.56 5061.73,2526.12 5029.73,2494.12 5029.73,1886.99 4985.53,1842.79 4985.53,1816.77 4985.52,1656.01 4904.08,1574.56 4541.73,1574.56 4521.73,1594.56 4521.73,1652.93 R54_U_LED_BUFFER62.2@4553.37,1684.56
GPIO_47_IO3: P1_IO3.141 R54_U_LED_BUFFER63.2 | length 4991.3
  Top Layer w7: P1_IO3.141@5566.66,3929.72 5566.66,4020.73 5514.96,4072.44 5514.96,4174.14 5648.36,4307.54 6557.7,4307.54 6923.58,3941.66 6923.58,2843.06 6976.98,2789.67 6982.43,2784.21 7042.23,2724.42 7058.63,2708.01 7058.63,2512.85 7026.63,2480.85 7026.63,1883 6982.43,1838.8 6982.43,1820.22 6982.42,1659.46 6900.98,1578.01 ; 6538.63,1578.01 6518.63,1598.01 6518.63,1656.38 R54_U_LED_BUFFER63.2@6550.27,1688.01 ; R54_U_LED_BUFFER63.2@6552.27,1687.16 6520.63,1655.53 6520.63,1597.16 6540.63,1577.16 6902.98,1577.16
GPIO_47_IO4: P1_IO4.141 R54_U_LED_BUFFER64.2 | length 4857.6
  Top Layer w7: P1_IO4.141@7569.66,3929.87 7569.66,4020.88 7517.96,4072.59 7517.96,4174.29 7651.36,4307.69 8560.7,4307.69 8926.58,3941.81 8926.58,2843.22 8979.98,2789.82 8985.43,2784.36 9045.23,2724.57 9061.63,2708.16 9061.63,2529.72 9029.63,2497.72 9029.63,1890.59 8985.43,1846.39 8985.43,1820.37 8985.42,1659.61 8903.98,1578.16 8541.63,1578.16 8522.74,1597.05 8522.74,1657.64 R54_U_LED_BUFFER64.2@8552.27,1687.16
GPIO_48_IO1: P1_IO1.76 R47_U_LED_BUFFER71.2 | length 2992
  Top Layer w7: R47_U_LED_BUFFER71.2@1801.15,532.39 1819.46,532.39 1935.8,648.74 1935.8,957.68 2237.2,1259.07 2237.2,1405.14 2237.2,2193.66 2237.2,2873.34 2361.78,2997.92 2368.63,3004.77 2368.63,3162.96 2310.92,3220.68 P1_IO1.76@2276.85,3220.68
GPIO_48_IO2: P1_IO2.76 R47_U_LED_BUFFER72.2 | length 2989.9
  Top Layer w7: R47_U_LED_BUFFER72.2@3801.15,532.39 3819.46,532.39 3935.8,648.74 3935.8,923.53 3936.08,923.81 3936.08,954.25 4238.3,1256.47 4238.3,1402.54 4238.3,2191.06 4238.3,2870.74 4362.88,2995.32 4369.73,3002.17 4369.73,3160.36 4312.02,3218.08 P1_IO2.76@4277.95,3218.08
GPIO_48_IO3: P1_IO3.76 R47_U_LED_BUFFER73.2 | length 2992.1
  Top Layer w7: R47_U_LED_BUFFER73.2@5801.15,532.39 5819.46,532.39 5931.13,644.06 5931.13,698.83 5932.08,699.79 5932.08,738.92 5932.22,739.06 5932.22,956.94 6235.2,1259.92 6235.2,1405.99 6235.2,2194.51 6235.2,2874.19 6359.78,2998.77 6366.63,3005.62 6366.63,3163.81 6308.92,3221.53 P1_IO3.76@6274.85,3221.53
GPIO_48_IO4: P1_IO4.76 R47_U_LED_BUFFER74.2 | length 2992
  Top Layer w7: R47_U_LED_BUFFER74.2@7801.15,532.39 7819.46,532.39 7935.8,648.74 7935.8,957.68 ; 7936.8,958.68 8238.2,1260.07 8238.2,1406.14 8238.2,2194.66 8238.2,2874.34 8362.78,2998.92 8369.63,3005.77 8369.63,3163.96 8311.92,3221.68 P1_IO4.76@8277.85,3221.68
GPIO_49_IO1: P1_IO1.75 R48_U_LED_BUFFER71.2 | length 2889.9
  Top Layer w7: R48_U_LED_BUFFER71.2@1800.63,598.28 1810.77,598.28 1921.8,709.31 1921.8,963.47 2223.2,1264.87 2223.2,1410.94 2223.2,2187.87 2223.2,2879.13 2350.93,3006.87 2354.63,3010.57 2354.63,3156.63 2310.27,3200.99 2286.8,3200.99 P1_IO1.75@2276.85,3200.99
GPIO_49_IO2: P1_IO2.75 R48_U_LED_BUFFER72.2 | length 2887.8
  Top Layer w7: R48_U_LED_BUFFER72.2@3800.63,598.28 3810.77,598.28 3921.8,709.31 3921.8,929.33 3922.08,929.61 3922.08,960.05 4224.3,1262.27 4224.3,1408.34 4224.3,2185.27 4224.3,2876.53 4352.03,3004.27 4355.73,3007.97 4355.73,3154.03 4311.37,3198.39 4287.9,3198.39 P1_IO2.75@4277.95,3198.39
GPIO_49_IO3: P1_IO3.75 R48_U_LED_BUFFER73.2 | length 2889.9
  Top Layer w7: R48_U_LED_BUFFER73.2@5800.63,598.28 5810.77,598.28 5918.08,705.59 5918.08,744.72 5918.22,744.86 5918.22,962.74 6221.2,1265.72 6221.2,1411.79 6221.2,2188.71 6221.2,2879.98 6348.93,3007.72 6352.63,3011.42 6352.63,3157.48 6308.27,3201.84 6284.8,3201.84 P1_IO3.75@6274.85,3201.84
GPIO_49_IO4: P1_IO4.75 R48_U_LED_BUFFER74.2 | length 2889.9
  Top Layer w7: R48_U_LED_BUFFER74.2@7800.63,598.28 7810.77,598.28 7921.8,709.31 7921.8,963.47 ; 7922.8,964.47 8224.2,1265.87 8224.2,1411.94 8224.2,2188.87 8224.2,2880.13 8351.93,3007.87 8355.63,3011.57 8355.63,3157.63 8311.27,3201.99 8287.8,3201.99 P1_IO4.75@8277.85,3201.99
GPIO_50_IO1: P1_IO1.74 R49_U_LED_BUFFER71.2 | length 2801
  Top Layer w7: R49_U_LED_BUFFER71.2@1800.63,653.83 1807.4,653.83 1907.52,753.95 1907.52,968.99 2209.2,1270.67 2209.2,1416.74 2209.2,2182.07 2209.2,2884.93 2340.63,3016.37 2340.63,3150.83 2310.16,3181.31 P1_IO1.74@2276.85,3181.31
GPIO_50_IO2: P1_IO2.74 R49_U_LED_BUFFER72.2 | length 2798.9
  Top Layer w7: R49_U_LED_BUFFER72.2@3800.63,653.83 3807.4,653.83 3907.52,753.95 3907.52,965.29 4210.3,1268.07 4210.3,1414.14 4210.3,2179.47 4210.3,2882.33 4341.73,3013.77 4341.73,3148.23 4311.26,3178.71 P1_IO2.74@4277.95,3178.71
GPIO_50_IO3: P1_IO3.74 R49_U_LED_BUFFER73.2 | length 2801.1
  Top Layer w7: R49_U_LED_BUFFER73.2@5800.63,653.83 5807.4,653.83 5904.22,750.66 5904.22,968.54 6207.2,1271.52 6207.2,1417.59 6207.2,2182.92 6207.2,2885.78 6338.63,3017.22 6338.63,3151.68 6308.16,3182.16 P1_IO3.74@6274.85,3182.16
GPIO_50_IO4: P1_IO4.74 R49_U_LED_BUFFER74.2 | length 2801
  Top Layer w7: R49_U_LED_BUFFER74.2@7800.63,653.83 7807.4,653.83 7907.52,753.95 7907.52,968.99 ; 7908.52,969.99 8210.2,1271.67 8210.2,1417.74 8210.2,2183.07 8210.2,2885.93 8341.63,3017.37 8341.63,3151.83 8311.16,3182.31 P1_IO4.74@8277.85,3182.31
GPIO_51_IO1: P1_IO1.70 R50_U_LED_BUFFER71.2 | length 2563.8
  Top Layer w7: R50_U_LED_BUFFER71.2@1800.63,709.39 1802.35,711.1 1822.03,711.1 1893.23,782.3 1893.23,974.5 2195.2,1276.46 2195.2,1422.54 2195.2,2176.27 2195.2,2789.4 2159.22,2825.38 P1_IO1.70@2159.22,3083.35